# Altium PCB PCB2.PcbDoc (part 1 of 3)
Units mm, origin at the board's own origin, x right, y up, seen from the top; angles counter-clockwise.
Board outline 800 x 450.44 mm, 3 copper layers (Top Layer, Y1, Bottom Layer), stack 0.488 mm thick; 810 components, 801 nets, 2040 pads, 600 vias.
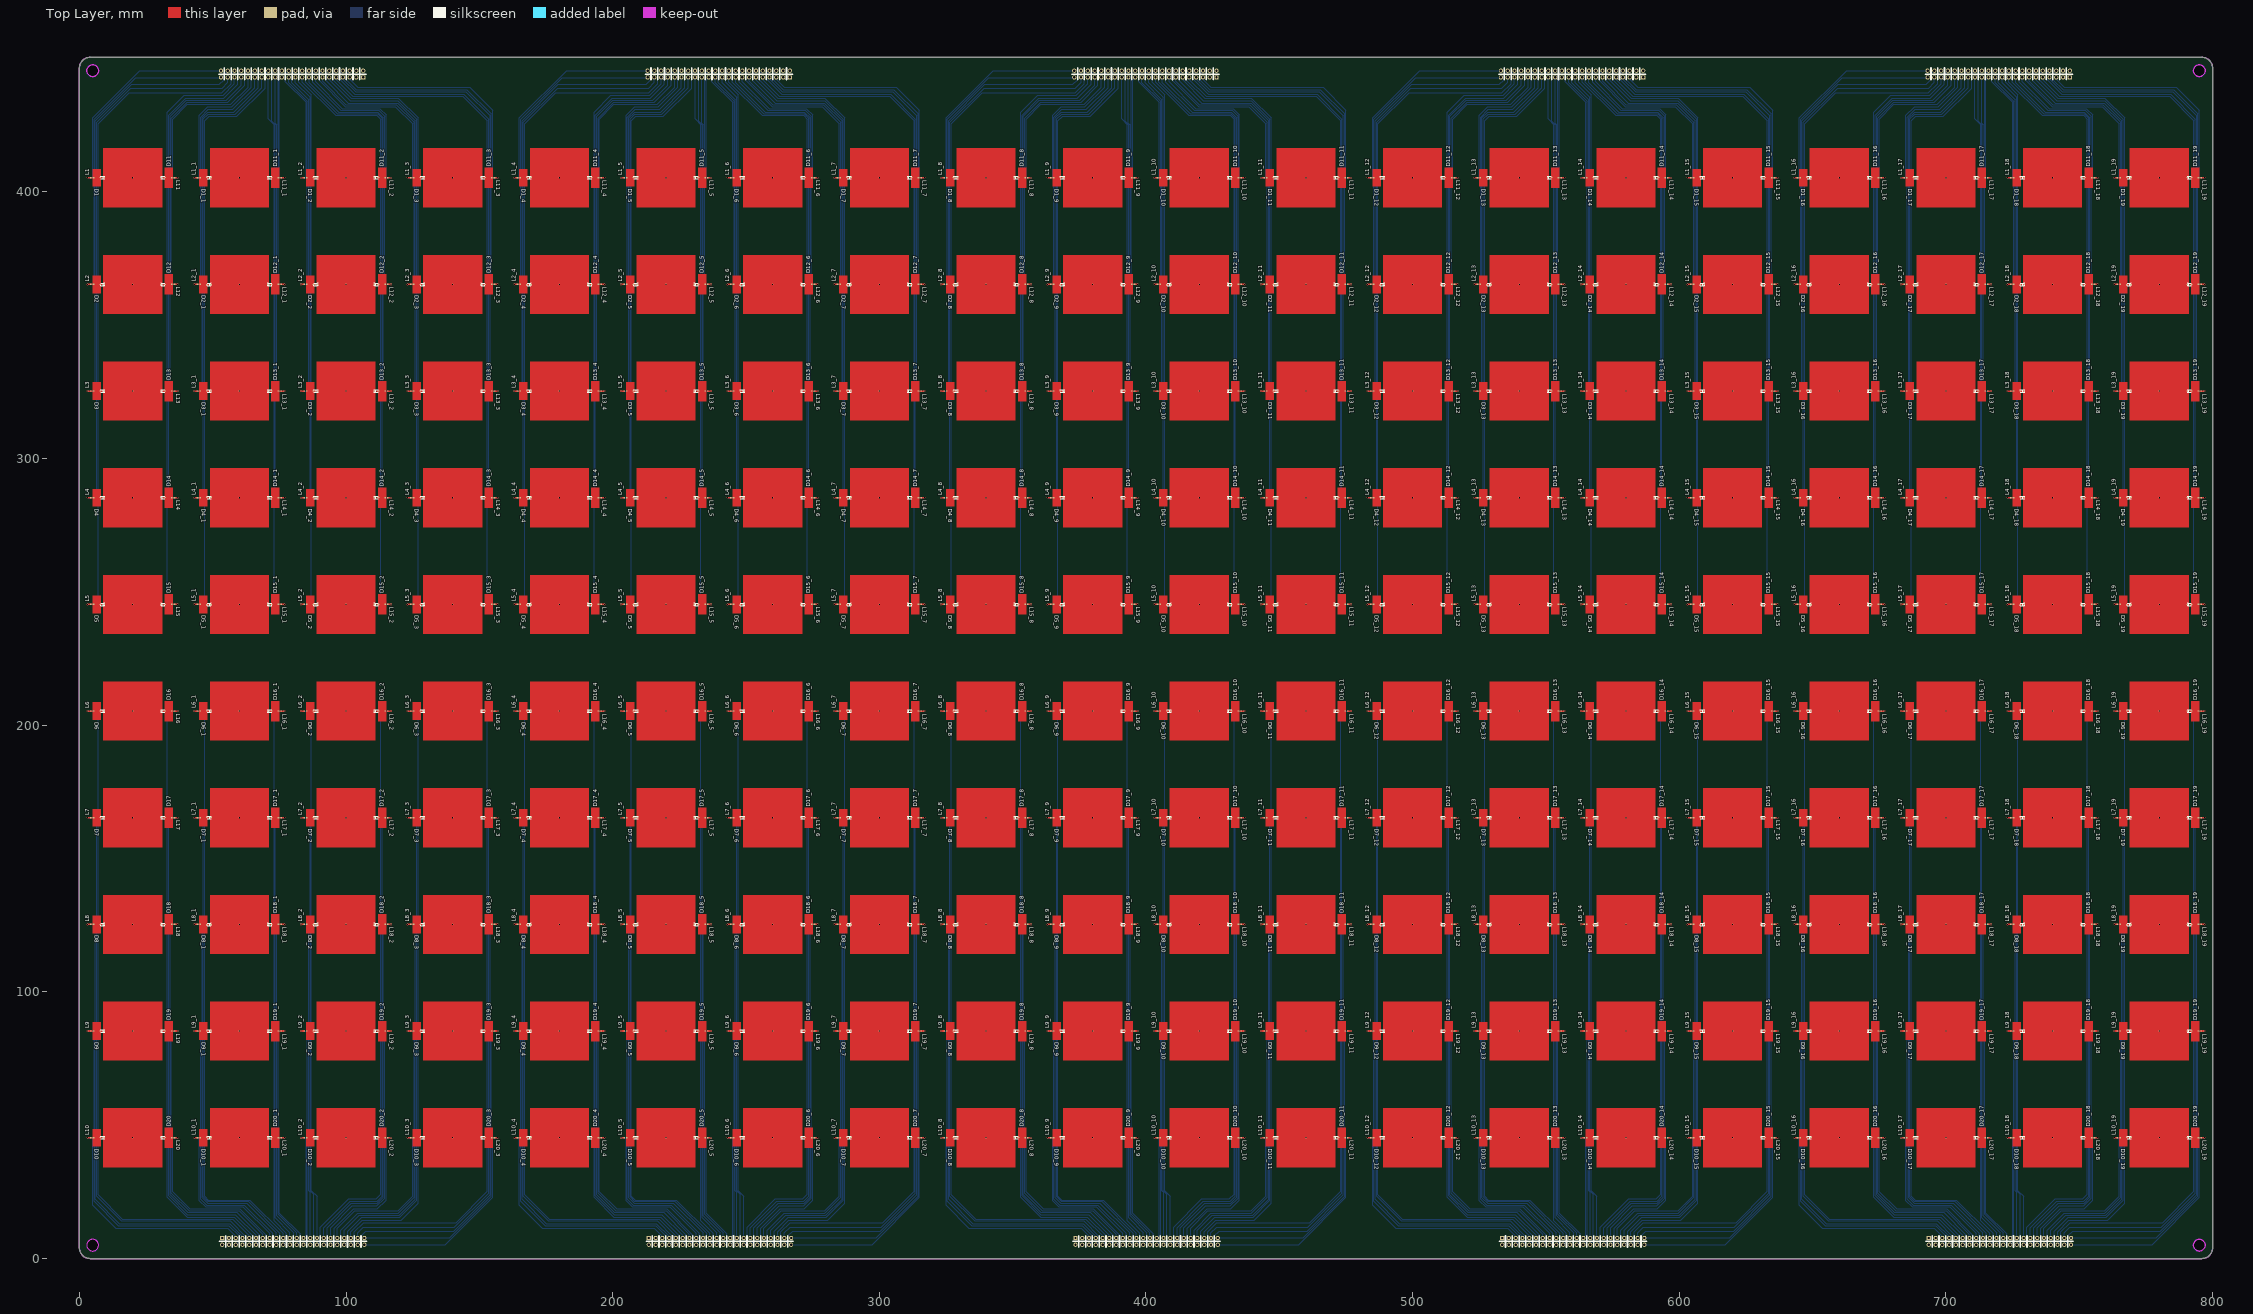
[diagram p0: Top Layer view]
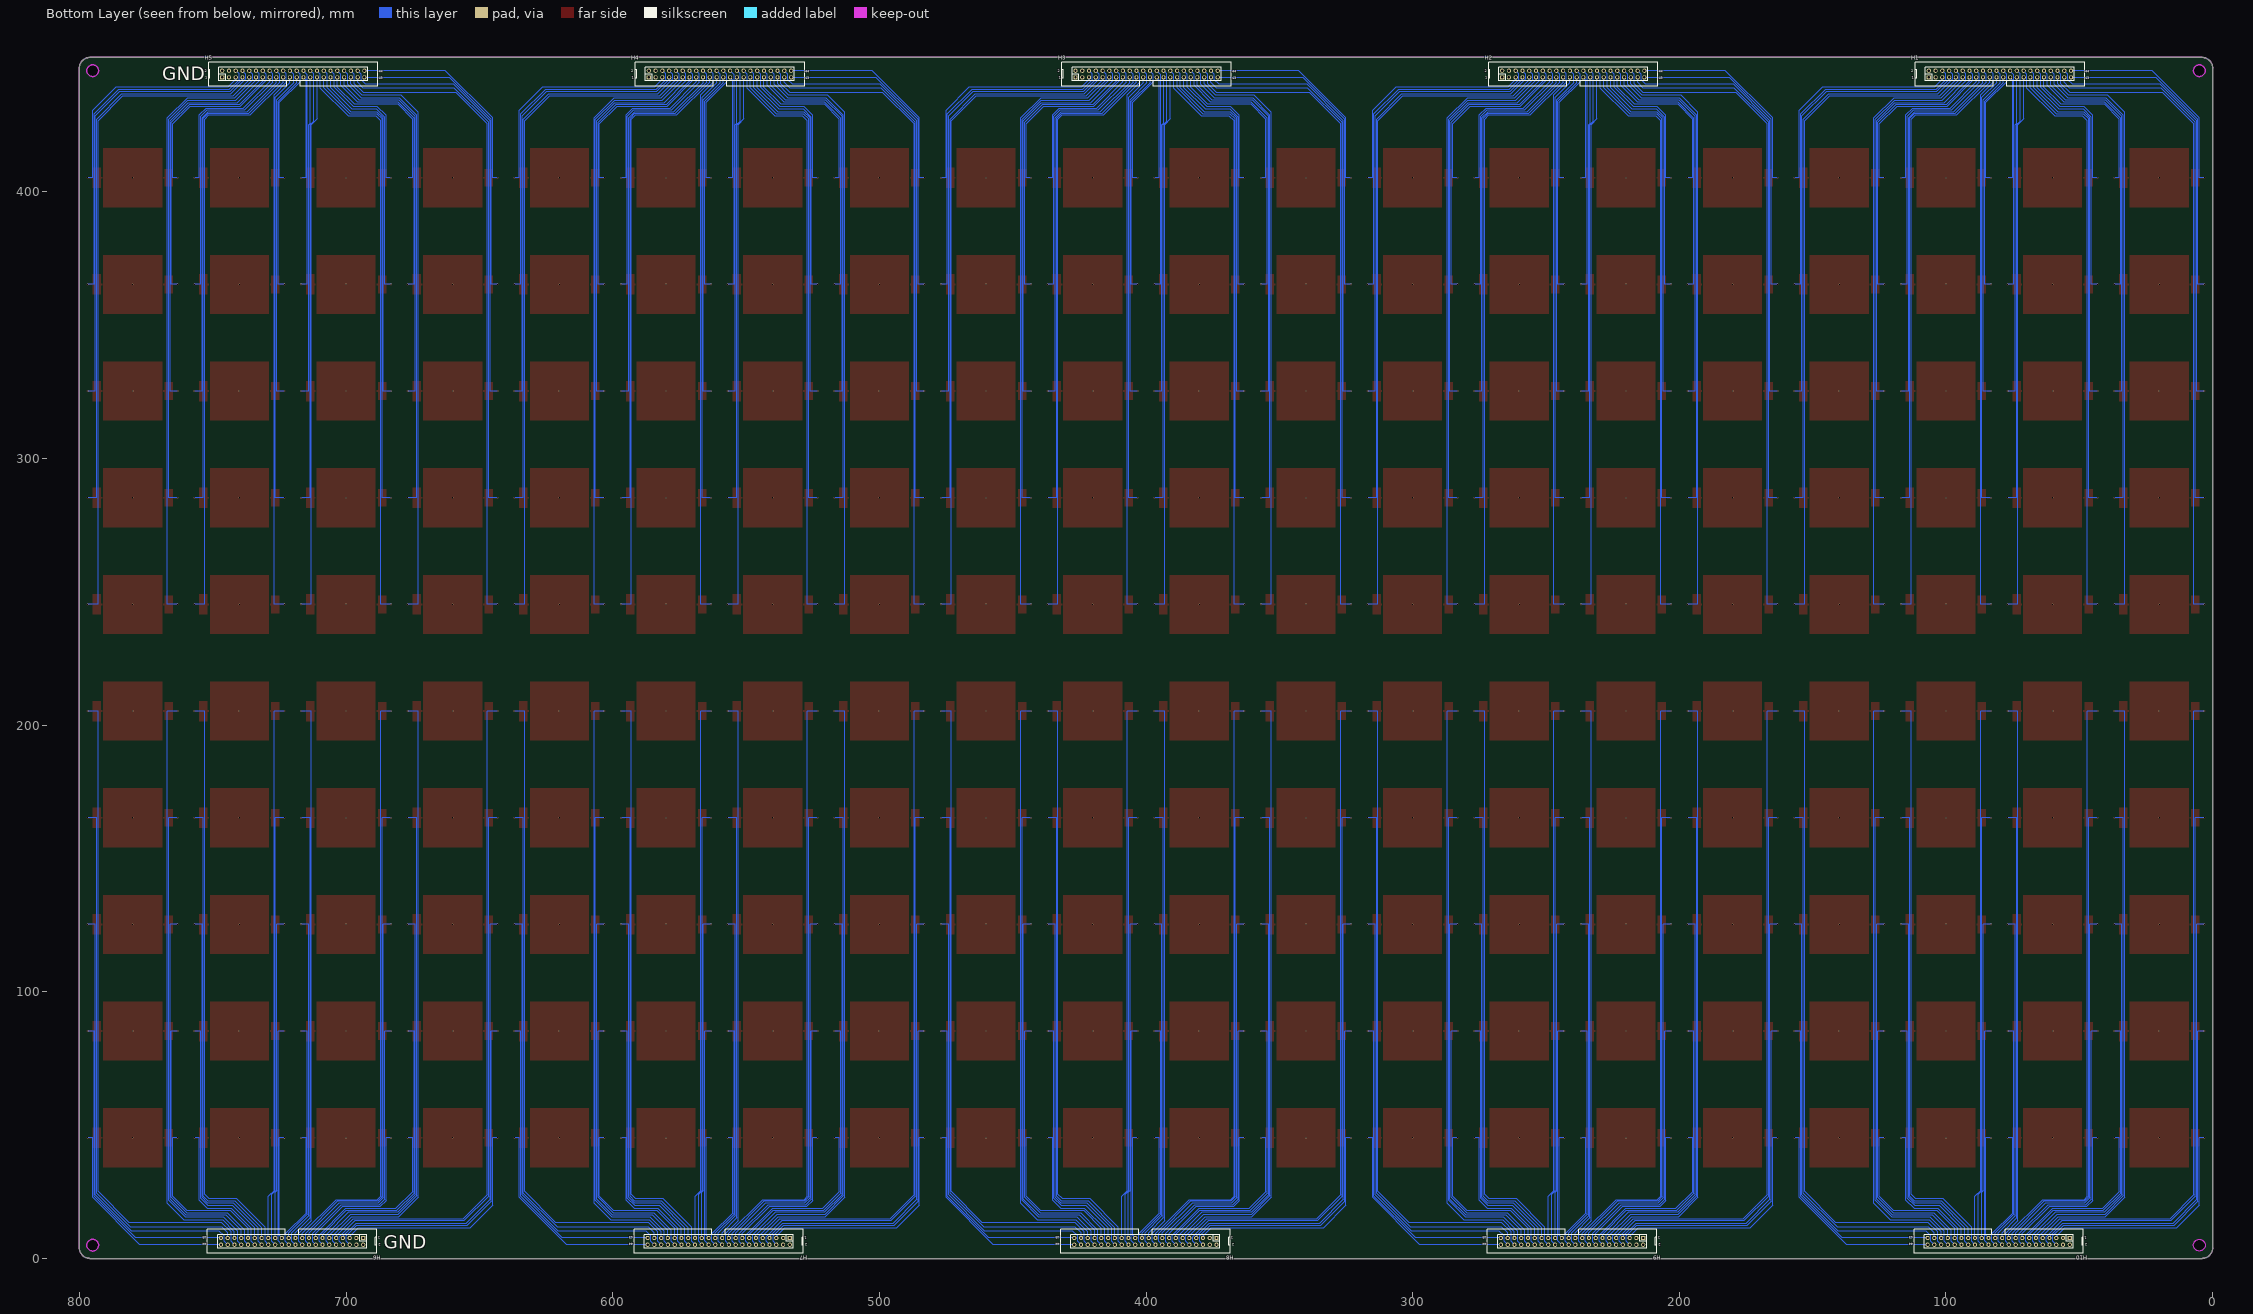
[diagram p1: Bottom Layer view, seen from below]
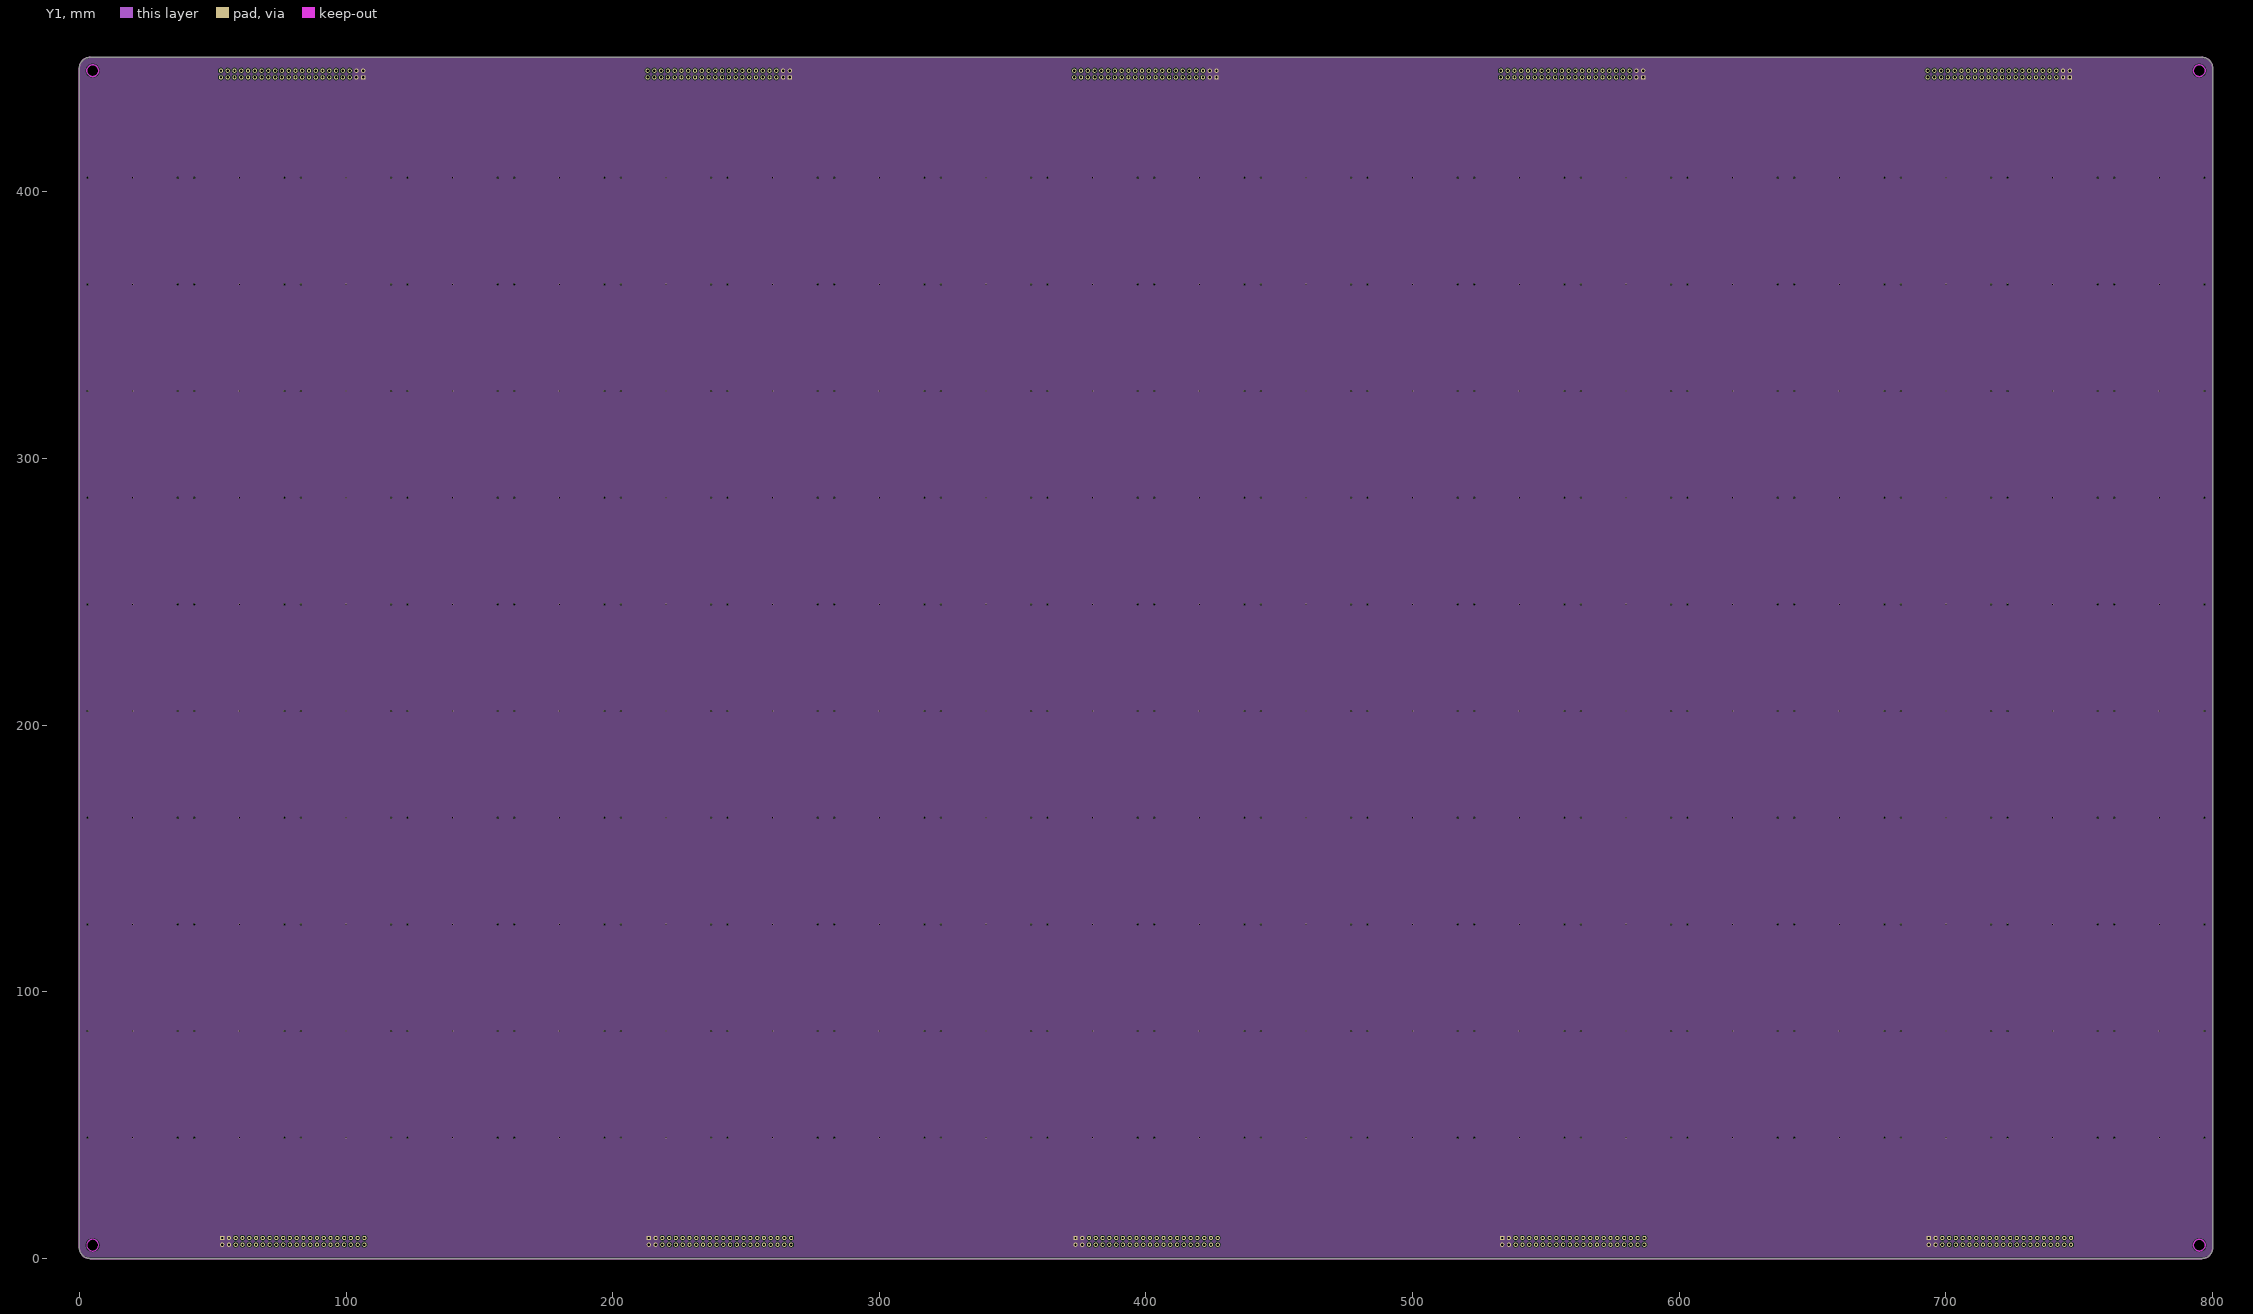
[diagram p2: Y1]
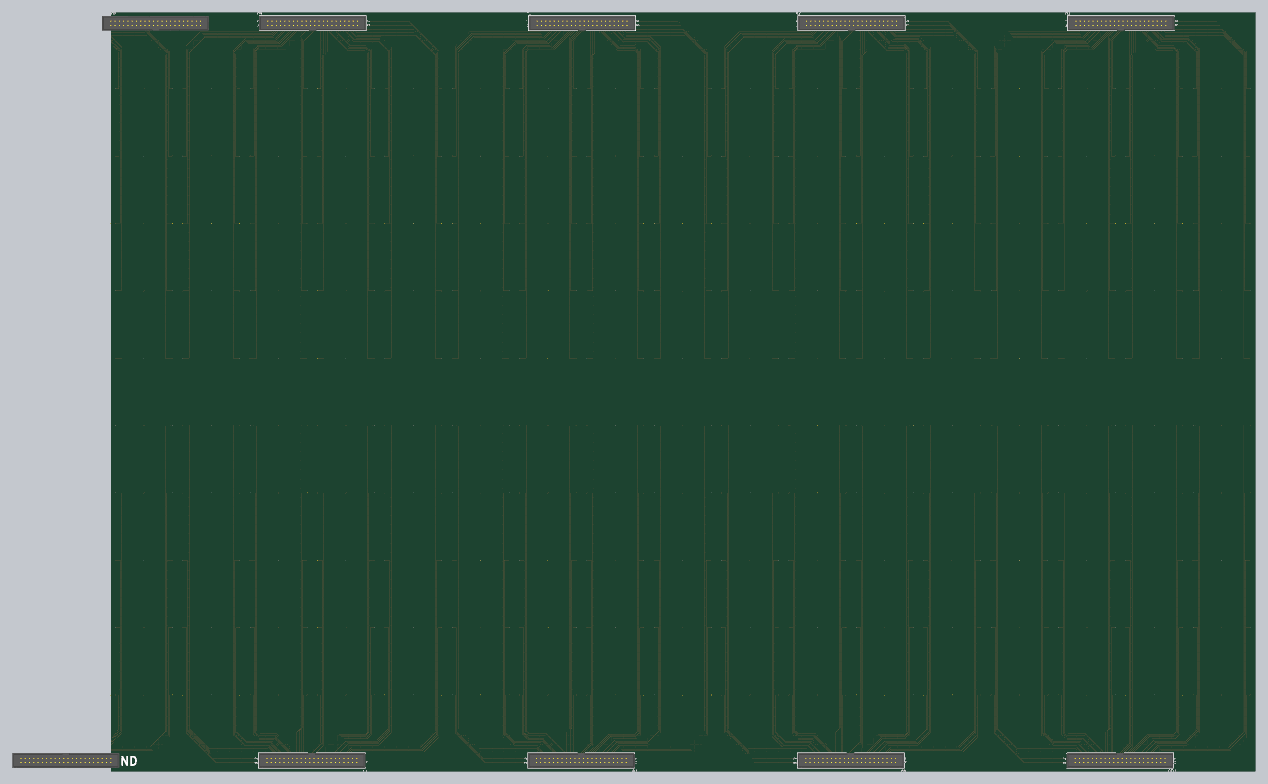
[diagram p5: 3D render of the assembled board from below, using the file's embedded part models]

## Layer stack, top to bottom
Top Solder: solder mask 0.0102, Solder Resist, Dk 3.5
Top Layer: signal copper 0.0356
Dielectric 1: core 0.254, FR-4, Dk 4.2
Y1: signal copper 0.036
Dielectric 2: prepreg 0.127, Dk 4.2
Bottom Layer: signal copper 0.0356
Bottom Solder: solder mask 0.0102, Solder Resist, Dk 3.5

## Board outline
0,4 0,446.444 cw(c4,446.444) 4,450.444 796,450.444 cw(c796,446.444) 800,446.444 800,4 cw(c796,4) 796,0 4,0 cw(c4,4)
cut-out: 5,443.244 cw(c5,445.444) 2.8,445.444 cw(c5,445.444) 5,447.644 cw(c5,445.444) 7.2,445.444 cw(c5,445.444)
cut-out: 2.8,5 ccw(c5,5) 5,2.8 ccw(c5,5) 7.2,5 ccw(c5,5) 5,7.2 ccw(c5,5)
cut-out: 795,2.8 cw(c795,5) 792.8,5 cw(c795,5) 795,7.2 cw(c795,5) 797.2,5 cw(c795,5)
cut-out: 795,443.244 cw(c795,445.444) 792.8,445.444 cw(c795,445.444) 795,447.644 cw(c795,445.444) 797.2,445.444 cw(c795,445.444)

## Design rules (kind name [scope] priority, off if disabled: settings)
Clearance [All] p1: gap=0.254 except(0.1: Via-Poly)
PolygonConnect [All] p1: connectstyle=Direct reliefconductorwidth=0.254 reliefentries=4 polygonreliefangle="90 Angle" airgapwidth=0.254
RoutingVias [All] p1: holewidth=0.711 width=1.27 viastyle="Through Hole" minholewidth=0.711 minwidth=1.27 maxholewidth=0.711 maxwidth=1.27
SolderMaskExpansion [All] p1: expansion=0.102
Width [All] p1: maxlimit=0.254 minlimit=0.254 preferedwidth=0.254
30 further rules are at their usual default settings.

## Components (designator, comment, footprint, x,y, rotation, side; value= is the part's Value field where it differs from the comment)
D1 "Comment" SC-79_L1.2-W0.8-LS1.6-RD 8.611,405.307 r180 top
D1_1 "Comment" SC-79_L1.2-W0.8-LS1.6-RD 48.611,405.307 r180 top
D1_2 "Comment" SC-79_L1.2-W0.8-LS1.6-RD 88.611,405.307 r180 top
D1_3 "Comment" SC-79_L1.2-W0.8-LS1.6-RD 128.611,405.307 r180 top
D1_4 "Comment" SC-79_L1.2-W0.8-LS1.6-RD 168.611,405.307 r180 top
D1_5 "Comment" SC-79_L1.2-W0.8-LS1.6-RD 208.611,405.307 r180 top
D1_6 "Comment" SC-79_L1.2-W0.8-LS1.6-RD 248.611,405.307 r180 top
D1_7 "Comment" SC-79_L1.2-W0.8-LS1.6-RD 288.611,405.307 r180 top
D1_8 "Comment" SC-79_L1.2-W0.8-LS1.6-RD 328.611,405.307 r180 top
D1_9 "Comment" SC-79_L1.2-W0.8-LS1.6-RD 368.611,405.307 r180 top
D1_10 "Comment" SC-79_L1.2-W0.8-LS1.6-RD 408.611,405.307 r180 top
D1_11 "Comment" SC-79_L1.2-W0.8-LS1.6-RD 448.611,405.307 r180 top
D1_12 "Comment" SC-79_L1.2-W0.8-LS1.6-RD 488.611,405.307 r180 top
D1_13 "Comment" SC-79_L1.2-W0.8-LS1.6-RD 528.611,405.307 r180 top
D1_14 "Comment" SC-79_L1.2-W0.8-LS1.6-RD 568.611,405.307 r180 top
D1_15 "Comment" SC-79_L1.2-W0.8-LS1.6-RD 608.611,405.307 r180 top
D1_16 "Comment" SC-79_L1.2-W0.8-LS1.6-RD 648.611,405.307 r180 top
D1_17 "Comment" SC-79_L1.2-W0.8-LS1.6-RD 688.611,405.307 r180 top
D1_18 "Comment" SC-79_L1.2-W0.8-LS1.6-RD 728.611,405.307 r180 top
D1_19 "Comment" SC-79_L1.2-W0.8-LS1.6-RD 768.611,405.307 r180 top
D2 "Comment" SC-79_L1.2-W0.8-LS1.6-RD 8.611,365.307 r180 top
D2_1 "Comment" SC-79_L1.2-W0.8-LS1.6-RD 48.611,365.307 r180 top
D2_2 "Comment" SC-79_L1.2-W0.8-LS1.6-RD 88.611,365.307 r180 top
D2_3 "Comment" SC-79_L1.2-W0.8-LS1.6-RD 128.611,365.307 r180 top
D2_4 "Comment" SC-79_L1.2-W0.8-LS1.6-RD 168.611,365.307 r180 top
D2_5 "Comment" SC-79_L1.2-W0.8-LS1.6-RD 208.611,365.307 r180 top
D2_6 "Comment" SC-79_L1.2-W0.8-LS1.6-RD 248.611,365.307 r180 top
D2_7 "Comment" SC-79_L1.2-W0.8-LS1.6-RD 288.611,365.307 r180 top
D2_8 "Comment" SC-79_L1.2-W0.8-LS1.6-RD 328.611,365.307 r180 top
D2_9 "Comment" SC-79_L1.2-W0.8-LS1.6-RD 368.611,365.307 r180 top
D2_10 "Comment" SC-79_L1.2-W0.8-LS1.6-RD 408.611,365.307 r180 top
D2_11 "Comment" SC-79_L1.2-W0.8-LS1.6-RD 448.611,365.307 r180 top
D2_12 "Comment" SC-79_L1.2-W0.8-LS1.6-RD 488.611,365.307 r180 top
D2_13 "Comment" SC-79_L1.2-W0.8-LS1.6-RD 528.611,365.307 r180 top
D2_14 "Comment" SC-79_L1.2-W0.8-LS1.6-RD 568.611,365.307 r180 top
D2_15 "Comment" SC-79_L1.2-W0.8-LS1.6-RD 608.611,365.307 r180 top
D2_16 "Comment" SC-79_L1.2-W0.8-LS1.6-RD 648.611,365.307 r180 top
D2_17 "Comment" SC-79_L1.2-W0.8-LS1.6-RD 688.611,365.307 r180 top
D2_18 "Comment" SC-79_L1.2-W0.8-LS1.6-RD 728.611,365.307 r180 top
D2_19 "Comment" SC-79_L1.2-W0.8-LS1.6-RD 768.611,365.307 r180 top
D3 "Comment" SC-79_L1.2-W0.8-LS1.6-RD 8.611,325.307 r180 top
D3_1 "Comment" SC-79_L1.2-W0.8-LS1.6-RD 48.611,325.307 r180 top
D3_2 "Comment" SC-79_L1.2-W0.8-LS1.6-RD 88.611,325.307 r180 top
D3_3 "Comment" SC-79_L1.2-W0.8-LS1.6-RD 128.611,325.307 r180 top
D3_4 "Comment" SC-79_L1.2-W0.8-LS1.6-RD 168.611,325.307 r180 top
D3_5 "Comment" SC-79_L1.2-W0.8-LS1.6-RD 208.611,325.307 r180 top
D3_6 "Comment" SC-79_L1.2-W0.8-LS1.6-RD 248.611,325.307 r180 top
D3_7 "Comment" SC-79_L1.2-W0.8-LS1.6-RD 288.611,325.307 r180 top
D3_8 "Comment" SC-79_L1.2-W0.8-LS1.6-RD 328.611,325.307 r180 top
D3_9 "Comment" SC-79_L1.2-W0.8-LS1.6-RD 368.611,325.307 r180 top
D3_10 "Comment" SC-79_L1.2-W0.8-LS1.6-RD 408.611,325.307 r180 top
D3_11 "Comment" SC-79_L1.2-W0.8-LS1.6-RD 448.611,325.307 r180 top
D3_12 "Comment" SC-79_L1.2-W0.8-LS1.6-RD 488.611,325.307 r180 top
D3_13 "Comment" SC-79_L1.2-W0.8-LS1.6-RD 528.611,325.307 r180 top
D3_14 "Comment" SC-79_L1.2-W0.8-LS1.6-RD 568.611,325.307 r180 top
D3_15 "Comment" SC-79_L1.2-W0.8-LS1.6-RD 608.611,325.307 r180 top
D3_16 "Comment" SC-79_L1.2-W0.8-LS1.6-RD 648.611,325.307 r180 top
D3_17 "Comment" SC-79_L1.2-W0.8-LS1.6-RD 688.611,325.307 r180 top
D3_18 "Comment" SC-79_L1.2-W0.8-LS1.6-RD 728.611,325.307 r180 top
D3_19 "Comment" SC-79_L1.2-W0.8-LS1.6-RD 768.611,325.307 r180 top
D4 "Comment" SC-79_L1.2-W0.8-LS1.6-RD 8.611,285.307 r180 top
D4_1 "Comment" SC-79_L1.2-W0.8-LS1.6-RD 48.611,285.307 r180 top
D4_2 "Comment" SC-79_L1.2-W0.8-LS1.6-RD 88.611,285.307 r180 top
D4_3 "Comment" SC-79_L1.2-W0.8-LS1.6-RD 128.611,285.307 r180 top
D4_4 "Comment" SC-79_L1.2-W0.8-LS1.6-RD 168.611,285.307 r180 top
D4_5 "Comment" SC-79_L1.2-W0.8-LS1.6-RD 208.611,285.307 r180 top
D4_6 "Comment" SC-79_L1.2-W0.8-LS1.6-RD 248.611,285.307 r180 top
D4_7 "Comment" SC-79_L1.2-W0.8-LS1.6-RD 288.611,285.307 r180 top
D4_8 "Comment" SC-79_L1.2-W0.8-LS1.6-RD 328.611,285.307 r180 top
D4_9 "Comment" SC-79_L1.2-W0.8-LS1.6-RD 368.611,285.307 r180 top
D4_10 "Comment" SC-79_L1.2-W0.8-LS1.6-RD 408.611,285.307 r180 top
D4_11 "Comment" SC-79_L1.2-W0.8-LS1.6-RD 448.611,285.307 r180 top
D4_12 "Comment" SC-79_L1.2-W0.8-LS1.6-RD 488.611,285.307 r180 top
D4_13 "Comment" SC-79_L1.2-W0.8-LS1.6-RD 528.611,285.307 r180 top
D4_14 "Comment" SC-79_L1.2-W0.8-LS1.6-RD 568.611,285.307 r180 top
D4_15 "Comment" SC-79_L1.2-W0.8-LS1.6-RD 608.611,285.307 r180 top
D4_16 "Comment" SC-79_L1.2-W0.8-LS1.6-RD 648.611,285.307 r180 top
D4_17 "Comment" SC-79_L1.2-W0.8-LS1.6-RD 688.611,285.307 r180 top
D4_18 "Comment" SC-79_L1.2-W0.8-LS1.6-RD 728.611,285.307 r180 top
D4_19 "Comment" SC-79_L1.2-W0.8-LS1.6-RD 768.611,285.307 r180 top
D5 "Comment" SC-79_L1.2-W0.8-LS1.6-RD 8.611,245.307 r180 top
D5_1 "Comment" SC-79_L1.2-W0.8-LS1.6-RD 48.611,245.307 r180 top
D5_2 "Comment" SC-79_L1.2-W0.8-LS1.6-RD 88.611,245.307 r180 top
D5_3 "Comment" SC-79_L1.2-W0.8-LS1.6-RD 128.611,245.307 r180 top
D5_4 "Comment" SC-79_L1.2-W0.8-LS1.6-RD 168.611,245.307 r180 top
D5_5 "Comment" SC-79_L1.2-W0.8-LS1.6-RD 208.611,245.307 r180 top
D5_6 "Comment" SC-79_L1.2-W0.8-LS1.6-RD 248.611,245.307 r180 top
D5_7 "Comment" SC-79_L1.2-W0.8-LS1.6-RD 288.611,245.307 r180 top
D5_8 "Comment" SC-79_L1.2-W0.8-LS1.6-RD 328.611,245.307 r180 top
D5_9 "Comment" SC-79_L1.2-W0.8-LS1.6-RD 368.611,245.307 r180 top
D5_10 "Comment" SC-79_L1.2-W0.8-LS1.6-RD 408.611,245.307 r180 top
D5_11 "Comment" SC-79_L1.2-W0.8-LS1.6-RD 448.611,245.307 r180 top
D5_12 "Comment" SC-79_L1.2-W0.8-LS1.6-RD 488.611,245.307 r180 top
D5_13 "Comment" SC-79_L1.2-W0.8-LS1.6-RD 528.611,245.307 r180 top
D5_14 "Comment" SC-79_L1.2-W0.8-LS1.6-RD 568.611,245.307 r180 top
D5_15 "Comment" SC-79_L1.2-W0.8-LS1.6-RD 608.611,245.307 r180 top
D5_16 "Comment" SC-79_L1.2-W0.8-LS1.6-RD 648.611,245.307 r180 top
D5_17 "Comment" SC-79_L1.2-W0.8-LS1.6-RD 688.611,245.307 r180 top
D5_18 "Comment" SC-79_L1.2-W0.8-LS1.6-RD 728.611,245.307 r180 top
D5_19 "Comment" SC-79_L1.2-W0.8-LS1.6-RD 768.611,245.307 r180 top
D6 "Comment" SC-79_L1.2-W0.8-LS1.6-RD 8.611,205.307 r180 top
D6_1 "Comment" SC-79_L1.2-W0.8-LS1.6-RD 48.611,205.307 r180 top
D6_2 "Comment" SC-79_L1.2-W0.8-LS1.6-RD 88.611,205.307 r180 top
D6_3 "Comment" SC-79_L1.2-W0.8-LS1.6-RD 128.611,205.307 r180 top
D6_4 "Comment" SC-79_L1.2-W0.8-LS1.6-RD 168.611,205.307 r180 top
D6_5 "Comment" SC-79_L1.2-W0.8-LS1.6-RD 208.611,205.307 r180 top
D6_6 "Comment" SC-79_L1.2-W0.8-LS1.6-RD 248.611,205.307 r180 top
D6_7 "Comment" SC-79_L1.2-W0.8-LS1.6-RD 288.611,205.307 r180 top
D6_8 "Comment" SC-79_L1.2-W0.8-LS1.6-RD 328.611,205.307 r180 top
D6_9 "Comment" SC-79_L1.2-W0.8-LS1.6-RD 368.611,205.307 r180 top
D6_10 "Comment" SC-79_L1.2-W0.8-LS1.6-RD 408.611,205.307 r180 top
D6_11 "Comment" SC-79_L1.2-W0.8-LS1.6-RD 448.611,205.307 r180 top
D6_12 "Comment" SC-79_L1.2-W0.8-LS1.6-RD 488.611,205.307 r180 top
D6_13 "Comment" SC-79_L1.2-W0.8-LS1.6-RD 528.611,205.307 r180 top
D6_14 "Comment" SC-79_L1.2-W0.8-LS1.6-RD 568.611,205.307 r180 top
D6_15 "Comment" SC-79_L1.2-W0.8-LS1.6-RD 608.611,205.307 r180 top
D6_16 "Comment" SC-79_L1.2-W0.8-LS1.6-RD 648.611,205.307 r180 top
D6_17 "Comment" SC-79_L1.2-W0.8-LS1.6-RD 688.611,205.307 r180 top
D6_18 "Comment" SC-79_L1.2-W0.8-LS1.6-RD 728.611,205.307 r180 top
D6_19 "Comment" SC-79_L1.2-W0.8-LS1.6-RD 768.611,205.307 r180 top
D7 "Comment" SC-79_L1.2-W0.8-LS1.6-RD 8.611,165.307 r180 top
D7_1 "Comment" SC-79_L1.2-W0.8-LS1.6-RD 48.611,165.307 r180 top
D7_2 "Comment" SC-79_L1.2-W0.8-LS1.6-RD 88.611,165.307 r180 top
D7_3 "Comment" SC-79_L1.2-W0.8-LS1.6-RD 128.611,165.307 r180 top
D7_4 "Comment" SC-79_L1.2-W0.8-LS1.6-RD 168.611,165.307 r180 top
D7_5 "Comment" SC-79_L1.2-W0.8-LS1.6-RD 208.611,165.307 r180 top
D7_6 "Comment" SC-79_L1.2-W0.8-LS1.6-RD 248.611,165.307 r180 top
D7_7 "Comment" SC-79_L1.2-W0.8-LS1.6-RD 288.611,165.307 r180 top
D7_8 "Comment" SC-79_L1.2-W0.8-LS1.6-RD 328.611,165.307 r180 top
D7_9 "Comment" SC-79_L1.2-W0.8-LS1.6-RD 368.611,165.307 r180 top
D7_10 "Comment" SC-79_L1.2-W0.8-LS1.6-RD 408.611,165.307 r180 top
D7_11 "Comment" SC-79_L1.2-W0.8-LS1.6-RD 448.611,165.307 r180 top
D7_12 "Comment" SC-79_L1.2-W0.8-LS1.6-RD 488.611,165.307 r180 top
D7_13 "Comment" SC-79_L1.2-W0.8-LS1.6-RD 528.611,165.307 r180 top
D7_14 "Comment" SC-79_L1.2-W0.8-LS1.6-RD 568.611,165.307 r180 top
D7_15 "Comment" SC-79_L1.2-W0.8-LS1.6-RD 608.611,165.307 r180 top
D7_16 "Comment" SC-79_L1.2-W0.8-LS1.6-RD 648.611,165.307 r180 top
D7_17 "Comment" SC-79_L1.2-W0.8-LS1.6-RD 688.611,165.307 r180 top
D7_18 "Comment" SC-79_L1.2-W0.8-LS1.6-RD 728.611,165.307 r180 top
D7_19 "Comment" SC-79_L1.2-W0.8-LS1.6-RD 768.611,165.307 r180 top
D8 "Comment" SC-79_L1.2-W0.8-LS1.6-RD 8.611,125.307 r180 top
D8_1 "Comment" SC-79_L1.2-W0.8-LS1.6-RD 48.611,125.307 r180 top
D8_2 "Comment" SC-79_L1.2-W0.8-LS1.6-RD 88.611,125.307 r180 top
D8_3 "Comment" SC-79_L1.2-W0.8-LS1.6-RD 128.611,125.307 r180 top
D8_4 "Comment" SC-79_L1.2-W0.8-LS1.6-RD 168.611,125.307 r180 top
D8_5 "Comment" SC-79_L1.2-W0.8-LS1.6-RD 208.611,125.307 r180 top
D8_6 "Comment" SC-79_L1.2-W0.8-LS1.6-RD 248.611,125.307 r180 top
D8_7 "Comment" SC-79_L1.2-W0.8-LS1.6-RD 288.611,125.307 r180 top
D8_8 "Comment" SC-79_L1.2-W0.8-LS1.6-RD 328.611,125.307 r180 top
D8_9 "Comment" SC-79_L1.2-W0.8-LS1.6-RD 368.611,125.307 r180 top
D8_10 "Comment" SC-79_L1.2-W0.8-LS1.6-RD 408.611,125.307 r180 top
D8_11 "Comment" SC-79_L1.2-W0.8-LS1.6-RD 448.611,125.307 r180 top
D8_12 "Comment" SC-79_L1.2-W0.8-LS1.6-RD 488.611,125.307 r180 top
D8_13 "Comment" SC-79_L1.2-W0.8-LS1.6-RD 528.611,125.307 r180 top
D8_14 "Comment" SC-79_L1.2-W0.8-LS1.6-RD 568.611,125.307 r180 top
D8_15 "Comment" SC-79_L1.2-W0.8-LS1.6-RD 608.611,125.307 r180 top
D8_16 "Comment" SC-79_L1.2-W0.8-LS1.6-RD 648.611,125.307 r180 top
D8_17 "Comment" SC-79_L1.2-W0.8-LS1.6-RD 688.611,125.307 r180 top
D8_18 "Comment" SC-79_L1.2-W0.8-LS1.6-RD 728.611,125.307 r180 top
D8_19 "Comment" SC-79_L1.2-W0.8-LS1.6-RD 768.611,125.307 r180 top
D9 "Comment" SC-79_L1.2-W0.8-LS1.6-RD 8.611,85.307 r180 top
D9_1 "Comment" SC-79_L1.2-W0.8-LS1.6-RD 48.611,85.307 r180 top
D9_2 "Comment" SC-79_L1.2-W0.8-LS1.6-RD 88.611,85.307 r180 top
D9_3 "Comment" SC-79_L1.2-W0.8-LS1.6-RD 128.611,85.307 r180 top
D9_4 "Comment" SC-79_L1.2-W0.8-LS1.6-RD 168.611,85.307 r180 top
D9_5 "Comment" SC-79_L1.2-W0.8-LS1.6-RD 208.611,85.307 r180 top
D9_6 "Comment" SC-79_L1.2-W0.8-LS1.6-RD 248.611,85.307 r180 top
D9_7 "Comment" SC-79_L1.2-W0.8-LS1.6-RD 288.611,85.307 r180 top
D9_8 "Comment" SC-79_L1.2-W0.8-LS1.6-RD 328.611,85.307 r180 top
D9_9 "Comment" SC-79_L1.2-W0.8-LS1.6-RD 368.611,85.307 r180 top
D9_10 "Comment" SC-79_L1.2-W0.8-LS1.6-RD 408.611,85.307 r180 top
D9_11 "Comment" SC-79_L1.2-W0.8-LS1.6-RD 448.611,85.307 r180 top
D9_12 "Comment" SC-79_L1.2-W0.8-LS1.6-RD 488.611,85.307 r180 top
D9_13 "Comment" SC-79_L1.2-W0.8-LS1.6-RD 528.611,85.307 r180 top
D9_14 "Comment" SC-79_L1.2-W0.8-LS1.6-RD 568.611,85.307 r180 top
D9_15 "Comment" SC-79_L1.2-W0.8-LS1.6-RD 608.611,85.307 r180 top
D9_16 "Comment" SC-79_L1.2-W0.8-LS1.6-RD 648.611,85.307 r180 top
D9_17 "Comment" SC-79_L1.2-W0.8-LS1.6-RD 688.611,85.307 r180 top
D9_18 "Comment" SC-79_L1.2-W0.8-LS1.6-RD 728.611,85.307 r180 top
D9_19 "Comment" SC-79_L1.2-W0.8-LS1.6-RD 768.611,85.307 r180 top
D10 "Comment" SC-79_L1.2-W0.8-LS1.6-RD 8.611,45.307 r180 top
D10_1 "Comment" SC-79_L1.2-W0.8-LS1.6-RD 48.611,45.307 r180 top
D10_2 "Comment" SC-79_L1.2-W0.8-LS1.6-RD 88.611,45.307 r180 top
D10_3 "Comment" SC-79_L1.2-W0.8-LS1.6-RD 128.611,45.307 r180 top
D10_4 "Comment" SC-79_L1.2-W0.8-LS1.6-RD 168.611,45.307 r180 top
D10_5 "Comment" SC-79_L1.2-W0.8-LS1.6-RD 208.611,45.307 r180 top
D10_6 "Comment" SC-79_L1.2-W0.8-LS1.6-RD 248.611,45.307 r180 top
D10_7 "Comment" SC-79_L1.2-W0.8-LS1.6-RD 288.611,45.307 r180 top
D10_8 "Comment" SC-79_L1.2-W0.8-LS1.6-RD 328.611,45.307 r180 top